# Altium PCB LimeSDR_1v2.PcbDoc (part 1 of 9) (continued)
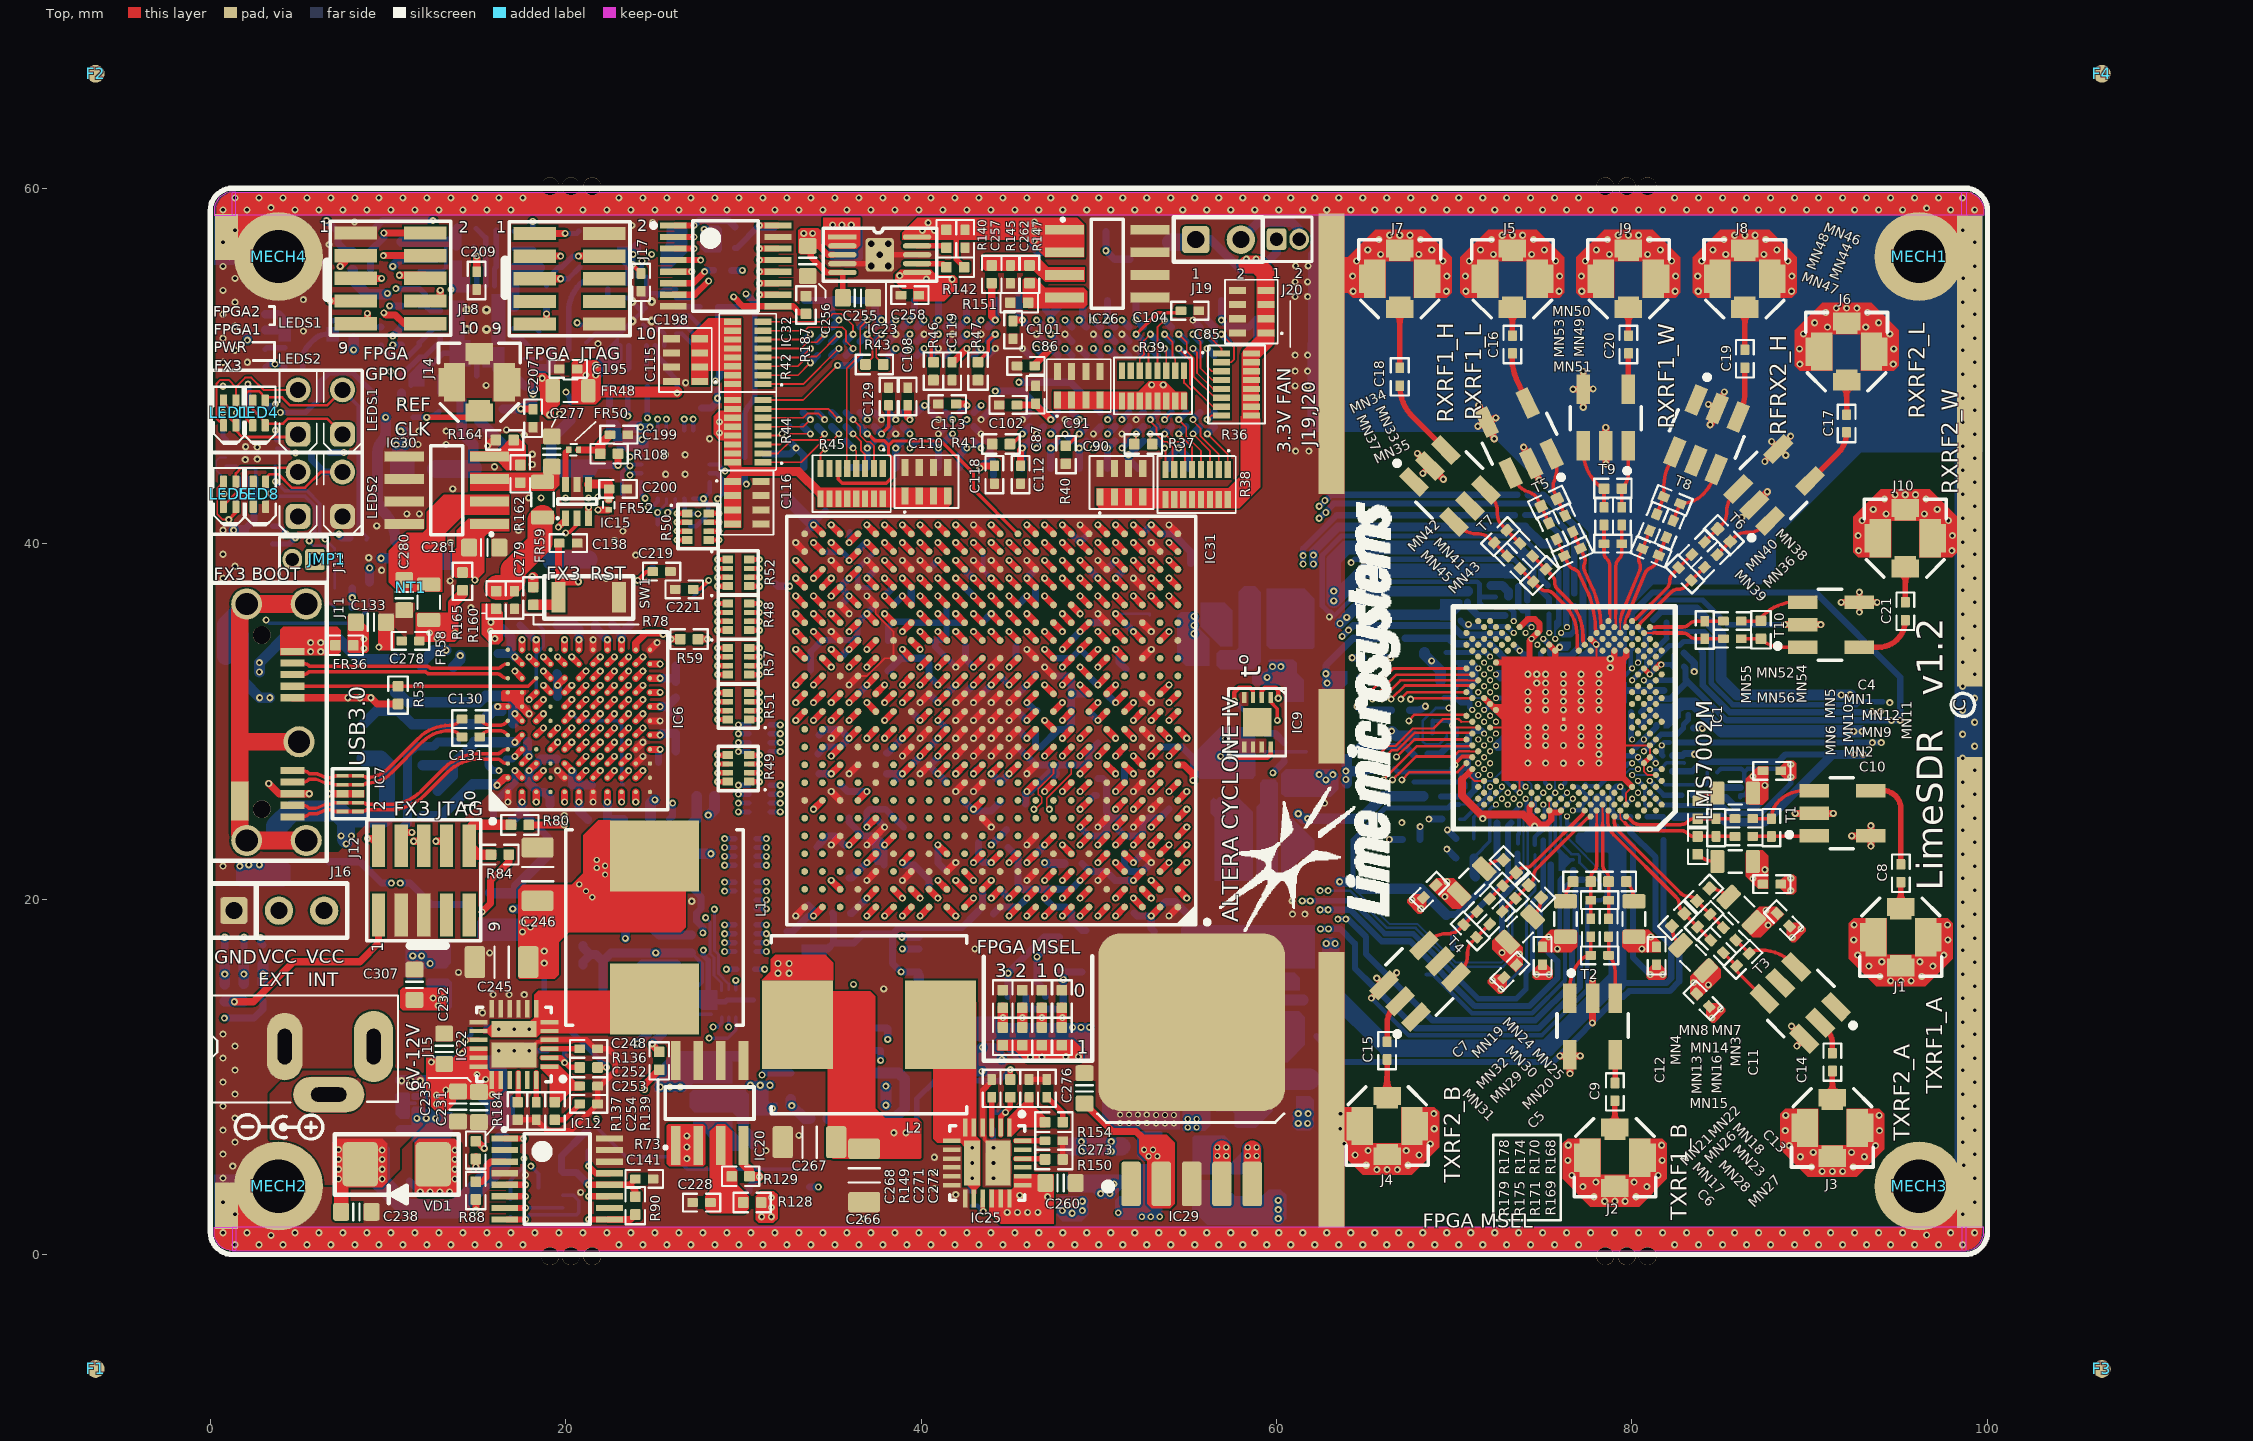
[diagram p0: Top view]
## Classes and differential pairs
net class VTT_DDR2: VTT_DDR2
net class VDD_FX3: VDD_FX3
net class VCC3P3_FX3: VCC3P3_FX3
net class VCC1P8_FX3: VCC1P8_FX3
net class +1.8V_DIG_LMK: +1.8V_DIG_LMK
net class VCC_EXT: VCC_EXT
net class SI_CLK: SI_CLK0 SI_CLK1 SI_CLK2 SI_CLK3 SI_CLK4 SI_CLK5 SI_CLK6 SI_CLK7
net class FPGA_CONFIG: EXP_CONF_DONE EXP_NCONFIG EXP_NSTATUS FPGA_CONF_DONE FPGA_NCONFIG FPGA_NSTATUS
net class DDR2_2_DQS[0..1]: DDR2_2_DQS0 DDR2_2_DQS1
net class DDR2_2_DQ[0..15]: DDR2_2_DQ0 DDR2_2_DQ1 DDR2_2_DQ2 DDR2_2_DQ3 DDR2_2_DQ4 DDR2_2_DQ5 DDR2_2_DQ6 DDR2_2_DQ7 DDR2_2_DQ8 DDR2_2_DQ9 DDR2_2_DQ10 DDR2_2_DQ11 DDR2_2_DQ12 DDR2_2_DQ13 DDR2_2_DQ14 DDR2_2_DQ15
net class DDR2_2_DM[0..1]: DDR2_2_DM0 DDR2_2_DM1
net class DDR2_2_BA[0..2]: DDR2_2_BA0 DDR2_2_BA1 DDR2_2_BA2
net class DDR2_2_A[0..12]: DDR2_2_A0 DDR2_2_A1 DDR2_2_A2 DDR2_2_A3 DDR2_2_A4 DDR2_2_A5 DDR2_2_A6 DDR2_2_A7 DDR2_2_A8 DDR2_2_A9 DDR2_2_A10 DDR2_2_A11 DDR2_2_A12
net class DDR2_1_DQS[0..1]: DDR2_1_DQS0 DDR2_1_DQS1
net class DDR2_1_DQ[0..15]: DDR2_1_DQ0 DDR2_1_DQ1 DDR2_1_DQ2 DDR2_1_DQ3 DDR2_1_DQ4 DDR2_1_DQ5 DDR2_1_DQ6 DDR2_1_DQ7 DDR2_1_DQ8 DDR2_1_DQ9 DDR2_1_DQ10 DDR2_1_DQ11 DDR2_1_DQ12 DDR2_1_DQ13 DDR2_1_DQ14 DDR2_1_DQ15
net class DDR2_1_DM[0..1]: DDR2_1_DM0 DDR2_1_DM1
net class DDR2_1_CK: DDR2_1_CLK_N DDR2_1_CLK_P DDR2_2_CLK_N DDR2_2_CLK_P
net class DDR2_1_BA[0..2]: DDR2_1_BA0 DDR2_1_BA1 DDR2_1_BA2
net class DDR2_1_A[0..12]: DDR2_1_A0 DDR2_1_A1 DDR2_1_A2 DDR2_1_A3 DDR2_1_A4 DDR2_1_A5 DDR2_1_A6 DDR2_1_A7 DDR2_1_A8 DDR2_1_A9 DDR2_1_A10 DDR2_1_A11 DDR2_1_A12
component class 12_USB3_0_power: C143 C144 C145 C146 C147 C148 C149 C150 C151 C152 C153 C154 C155 C156 C157 C158 C159 C160 C161 C162 C163 C164 C165 C166 C167 C168 C169 C170 C171 C172 C173 C174 C175 C176 C177 C178 C179 C180 FR38 FR39 FR40 FR41 FR42 FR43 FR44 FR45 FR46
net class FX3_DQ: FX3_DQ0 FX3_DQ1 FX3_DQ2 FX3_DQ3 FX3_DQ4 FX3_DQ5 FX3_DQ6 FX3_DQ7 FX3_DQ8 FX3_DQ9 FX3_DQ10 FX3_DQ11 FX3_DQ12 FX3_DQ13 FX3_DQ14 FX3_DQ15 FX3_DQ16 FX3_DQ17 FX3_DQ18 FX3_DQ19 FX3_DQ20 FX3_DQ21 FX3_DQ22 FX3_DQ23 FX3_DQ24 FX3_DQ25 FX3_DQ26 FX3_DQ27 FX3_DQ28 FX3_DQ29 FX3_DQ30 FX3_DQ31 FX3_PCLK
net class FX3_CTL: FX3_CTL0 FX3_CTL1 FX3_CTL2 FX3_CTL3 FX3_CTL4 FX3_CTL5 FX3_CTL6 FX3_CTL7 FX3_CTL8 FX3_CTL9 FX3_CTL10 FX3_CTL11 FX3_CTL12
component class 09_FPGA_misc: C294 C295 C296 C297 C298 C299 C300 C301 C302 C303 C304 C305 C306 C307 C308 C309 C310 C311 C312 C313 C314 C315 C316 C317 C318 C319 C320 C321 C322 C323 C324 C325 C326 C327 C328 C329 C330 C331 C332 C333 C334 C335 C336 C337 C338 C339 C340 C341 C342 C343 C344 C345 C346 C347 C348 C349 C350 C351 C352 C353 C354 C355 C356 C357 C358 C359 C360 C361 C362 C363 C364 C365 C366 C367 C368 C369 C370 C371 C372 C373 C374 C375 C376 C377 C378 C379 C380 C381 C382 C383 C384 C385 C386 C387 C388 C389 C390 C391 C392 C393 C394 C395 C396 C397 C398 C399 FR60 FR61 IC32 IC33 J17 J18 J19 J20 R168 R169 R170 R171 R172 R173 R174 R175 R176 R177 R178 R179 R180 R181 R182 R183 R184 R185 R186 R187 R188 R189 R190 VT1
net class FPGA_DDR1_DQ: DDR2_2_DQ0 DDR2_2_DQ1 DDR2_2_DQ2 DDR2_2_DQ3 DDR2_2_DQ4 DDR2_2_DQ5 DDR2_2_DQ6 DDR2_2_DQ7 DDR2_2_DQ8 DDR2_2_DQ9 DDR2_2_DQ10 DDR2_2_DQ11 DDR2_2_DQ12 DDR2_2_DQ13 DDR2_2_DQ14 DDR2_2_DQ15
net class FPGA_DDR1_CTRL: DDR2_2_CASN DDR2_2_CKE DDR2_2_CSN DDR2_2_DM0 DDR2_2_DM1 DDR2_2_DQS0 DDR2_2_DQS0N DDR2_2_DQS1 DDR2_2_DQS1N DDR2_2_ODT DDR2_2_RASN DDR2_2_WEN VREF_DDR2
net class FPGA_DDR1_BA: DDR2_2_BA0 DDR2_2_BA1 DDR2_2_BA2
net class FPGA_DDR1_A: DDR2_2_A0 DDR2_2_A1 DDR2_2_A2 DDR2_2_A3 DDR2_2_A4 DDR2_2_A5 DDR2_2_A6 DDR2_2_A7 DDR2_2_A8 DDR2_2_A9 DDR2_2_A10 DDR2_2_A11 DDR2_2_A12
net class FPGA_DDR0_DQ: DDR2_1_DQ0 DDR2_1_DQ1 DDR2_1_DQ2 DDR2_1_DQ3 DDR2_1_DQ4 DDR2_1_DQ5 DDR2_1_DQ6 DDR2_1_DQ7 DDR2_1_DQ8 DDR2_1_DQ9 DDR2_1_DQ10 DDR2_1_DQ11 DDR2_1_DQ12 DDR2_1_DQ13 DDR2_1_DQ14 DDR2_1_DQ15
net class FPGA_DDR0_CTRL: DDR2_1_CASN DDR2_1_CKE DDR2_1_CSN DDR2_1_DM0 DDR2_1_DM1 DDR2_1_DQS0 DDR2_1_DQS0N DDR2_1_DQS1 DDR2_1_DQS1N DDR2_1_ODT DDR2_1_RASN DDR2_1_WEN VREF_DDR2
net class FPGA_DDR0_BA: DDR2_1_BA0 DDR2_1_BA1 DDR2_1_BA2
net class FPGA_DDR0_A: DDR2_1_A0 DDR2_1_A1 DDR2_1_A2 DDR2_1_A3 DDR2_1_A4 DDR2_1_A5 DDR2_1_A6 DDR2_1_A7 DDR2_1_A8 DDR2_1_A9 DDR2_1_A10 DDR2_1_A11 DDR2_1_A12
component class 07_FPGA_banks_1_2_3_4: C282 C283 C284 C285 C286 C287 C288 C289 C290 C291 C292 C293 IC31 R166 R167
net class RX_RF: RXRF1_HAB_N RXRF1_HAB_P RXRF1_HBB_N RXRF1_HBB_P RXRF1_LAB_N RXRF1_LAB_P RXRF1_LBB_N RXRF1_LBB_P RXRF1_WAB_N RXRF1_WAB_P RXRF1_WBB_N RXRF1_WBB_P RXRF2_HAB_N RXRF2_HAB_P RXRF2_HBB_N RXRF2_HBB_P RXRF2_LAB_N RXRF2_LAB_P RXRF2_LBB_N RXRF2_LBB_P RXRF2_WAB_N RXRF2_WAB_P RXRF2_WBB_N RXRF2_WBB_P
net class TX_RF: TXRF1_1AB_N TXRF1_1AB_P TXRF1_1BB_N TXRF1_1BB_P TXRF1_2AB_N TXRF1_2AB_P TXRF1_2BB_N TXRF1_2BB_P TXRF2_1AB_N TXRF2_1AB_P TXRF2_1BB_N TXRF2_1BB_P TXRF2_2AB_N TXRF2_2AB_P TXRF2_2BB_N TXRF2_2BB_P
component class 06_LMS7002M_Power: C22 C23 C24 C25 C26 C27 C28 C29 C30 C31 C32 C33 C34 C35 C36 C37 C38 C39 C40 C41 C42 C43 C44 C45 C46 C47 C48 C49 C50 C51 C52 C53 C54 C55 C56 C57 C58 C59 C60 C61 C62 C63 C64 C65 C66 C67 C68 C69 C70 C71 C72 C73 C74 C75 C76 C77 C78 C79 C80 FR1 FR2 FR3 FR4 FR5 FR6 FR7 FR8 FR9 FR10 FR11 FR12 FR13 FR14 FR15 FR16 FR17 FR18 FR19 FR20 FR21 FR22 FR23 FR24 FR25 FR26 FR27 FR28 FR29 FR30 FR31 FR32 FR33 FR34 FR35 R16 R17 R18 R19 R20 R21 R22 R23 R24 R25 R26 R27 R28 R29 R30 R31 R32 R33 R34 R35
component class 05_LMS7002M_RF: C4 C5 C6 C7 C8 C9 C10 C11 C12 C13 C14 C15 C16 C17 C18 C19 C20 C21 J1 J2 J3 J4 J5 J6 J7 J8 J9 J10 MN1 MN2 MN3 MN4 MN5 MN6 MN7 MN8 MN9 MN10 MN11 MN12 MN13 MN14 MN15 MN16 MN17 MN18 MN19 MN20 MN21 MN22 MN23 MN24 MN25 MN26 MN27 MN28 MN29 MN30 MN31 MN32 MN33 MN34 MN35 MN36 MN37 MN38 MN39 MN40 MN41 MN42 MN43 MN44 MN45 MN46 MN47 MN48 MN49 MN50 MN51 MN52 MN53 MN54 MN55 MN56 T1 T2 T3 T4 T5 T6 T7 T8 T9 T10
component class 10_DDR2: C81 C82 C83 C84 C85 C86 C87 C88 C89 C90 C91 C92 C93 C94 C95 C96 C97 C98 C99 C100 C101 C102 C103 C104 C105 C106 C107 C108 C109 C110 C111 C112 C113 C114 C115 C116 C117 C118 C119 C120 C121 C122 C123 C124 C125 C126 C127 C128 C129 FR76 IC4 IC5 R36 R37 R38 R39 R40 R41 R42 R43 R44 R45 R46 R47 XT6
component class 11_USB3_0_device: C130 C131 C132 C133 C134 C135 C136 C137 C138 C139 C140 C141 C142 FR36 FR37 IC6 IC7 IC8 IC9 IC10 IC11 IC12 J11 J12 J13 JMP1 NT1 R48 R49 R50 R51 R52 R53 R54 R55 R56 R57 R58 R59 R60 R61 R62 R63 R64 R65 R66 R67 R68 R69 R70 R71 R72 R73 R74 R75 R76 R77 R78 R79 R80 R81 R82 R83 R84 R85 R86 R87 R88 R89 R90 R91 R92 R93 R94 SW1 XT1
net class CLK_PATH: NetC181_1 NetC181_2 NetC182_1 NetC281_1 NetIC1_AM24 NetIC1_E5 NetIC13_3 NetIC13_5 NetR96_2 REF_CLK RXPLL_CLK TXPLL_CLK
net class FX3_DATA: FX3_OTG_ID FX3_USB_D_N FX3_USB_D_P FX3_USB_SSRX_N FX3_USB_SSRX_P FX3_USB_SSTX_IC_N FX3_USB_SSTX_IC_P FX3_USB_SSTX_N FX3_USB_SSTX_P
component class 04_LMS7002M_Digital: C1 C2 C3 IC1 IC2 IC3 R1 R2 R3 R4 R5 R6 R7 R8 R9 R10 R11 R12 R13 R14 R15
net class LMS_PORT1: LMS_DIQ1_D0 LMS_DIQ1_D1 LMS_DIQ1_D2 LMS_DIQ1_D3 LMS_DIQ1_D4 LMS_DIQ1_D5 LMS_DIQ1_D6 LMS_DIQ1_D7 LMS_DIQ1_D8 LMS_DIQ1_D9 LMS_DIQ1_D10 LMS_DIQ1_D11 LMS_ENABLE_IQSEL1 LMS_MCLK1
net class LMS_PORT2: LMS_DIQ2_D0 LMS_DIQ2_D1 LMS_DIQ2_D2 LMS_DIQ2_D3 LMS_DIQ2_D4 LMS_DIQ2_D5 LMS_DIQ2_D6 LMS_DIQ2_D7 LMS_DIQ2_D8 LMS_DIQ2_D9 LMS_DIQ2_D10 LMS_DIQ2_D11 LMS_ENABLE_IQSEL2 LMS_FCLK2 LMS_MCLK2
component class 14_BoardPowerSupply: C225 C226 C227 C228 C229 C230 C231 C232 C233 C234 C235 C236 C237 C238 C239 C240 C241 C242 C243 C244 C245 C246 C247 C248 C249 C250 C251 C252 C253 C254 C255 C256 C257 C258 C259 C260 C261 C262 C263 C264 C265 C266 C267 C268 C269 C270 C271 C272 C273 C274 C275 C276 C277 C278 C279 C280 C281 C416 C417 C418 C419 C420 C421 C422 C423 C424 F1 F2 F3 F4 FR53 FR54 FR55 FR56 FR57 FR58 FR59 IC18 IC19 IC20 IC21 IC22 IC23 IC24 IC25 IC26 IC27 IC28 IC29 IC30 IC37 IC39 J15 J16 L1 L2 LED1 LED4 LED5 LED8 LEDS1 LEDS2 MECH1 MECH2 MECH3 MECH4 R122 R123 R124 R125 R126 R127 R128 R129 R130 R131 R132 R133 R134 R135 R136 R137 R138 R139 R140 R141 R142 R143 R144 R145 R146 R147 R148 R149 R150 R151 R152 R153 R154 R155 R156 R157 R158 R159 R160 R161 R162 R163 R164 R165 R203 R204 R205 R206 R207 R208 R209 R210 R211 R212 R213 R214 R215 R216 R217 R218 R219 VD1
component class 13_Clocks: C181 C182 C183 C184 C185 C186 C187 C188 C189 C190 C191 C192 C193 C194 C195 C196 C197 C198 C199 C200 C201 C202 C203 C204 C205 C206 C207 C208 C209 C210 C211 C212 C213 C214 C215 C216 C217 C218 C219 C220 C221 C222 C223 C224 FR47 FR48 FR49 FR50 FR51 FR52 IC13 IC14 IC15 IC16 IC17 J14 R95 R96 R97 R98 R99 R100 R101 R102 R103 R104 R105 R106 R107 R108 R109 R110 R111 R112 R113 R114 R115 R116 R117 R118 R119 R120 R121 XT2 XT3 XT4 XT5
net class FPGA_MSEL: MSEL0 MSEL1 MSEL2 MSEL3
net class FPGA_CONF: FPGA_AS_DCLK FPGA_CONF_DONE FPGA_NCONFIG FPGA_NSTATUS
net class FPGA_GPIO: FPGA_GPIO0 FPGA_GPIO1 FPGA_GPIO2 FPGA_GPIO3 FPGA_GPIO4 FPGA_GPIO5 FPGA_GPIO6 FPGA_GPIO7
net class FPGA_JTAG: FPGA_JTAG_TCK FPGA_JTAG_TDI FPGA_JTAG_TDO FPGA_JTAG_TMS NetJ11_7
net class FPGA_SPI_LMS: FPGA_SPI0_LMS_SS FPGA_SPI0_MISO FPGA_SPI0_MOSI FPGA_SPI0_SCLK NetC1_1 NetIC1_D28 NetIC1_F28 NetIC1_F30
net class LMS_I2C: LMS_I2C_SCL LMS_I2C_SDA
net class I2C_BRDG: BRDG_INT BRDG_SPI_DUMMY_SS BRDG_SPI_FPGA_SS BRDG_SPI_MISO BRDG_SPI_MOSI BRDG_SPI_SCLK
net class FX3_JTAG: FX3_JTAG_TCK FX3_JTAG_TDI FX3_JTAG_TDO FX3_JTAG_TMS FX3_JTAG_TRST FX3_RST NetJ12_10
net class VCC1P2: VCC1P2
net class VCC1P4_LMS: VCC1P4_LMS
net class VCC1P8_DDR2: VCC1P8_DDR2
net class VCC1P8_LMS: VCC1P8_LMS
net class VCC1P8: VCC1P8
net class VCC1P25_LMS_DIG: VCC1P25_LMS_DIG
net class VCC1P25_LMS: VCC1P25_LMS
net class VCC2P5: VCC2P5
net class VCC3P3_CLK: VCC3P3_CLK
net class VCC3P3: VCC3P3
net class VCC5P0_USB: VCC5P0_USB
net class VDIO_LMS_FPGA: VDIO_LMS_FPGA
net class VDIO_LMS: VDIO_LMS
net class VCC_INT: VCC_INT
net class LMS_MISC: LMS_RXEN LMS_TXNRX1 LMS_TXNRX2
net class VCC3P3_CFX3: VCC3P3_CFX3
net class VDIO_LMS_LMK: VDIO_LMS_LMK
differential pair SI5351_XTAL: +SI5351_XTAL_P -SI5351_XTAL_N
differential pair FX3_XTAL: +FX3_XTAL_P -FX3_XTAL_N
differential pair DDR2_2_CLK: +DDR2_2_CLK_P -DDR2_2_CLK_N
differential pair DDR2_1_CLK: +DDR2_1_CLK_P -DDR2_1_CLK_N
differential pair RXRF1_HAB: +RXRF1_HAB_P -RXRF1_HAB_N
differential pair RXRF1_HBB: +RXRF1_HBB_P -RXRF1_HBB_N
differential pair RXRF1_LAB: +RXRF1_LAB_P -RXRF1_LAB_N
differential pair RXRF1_LBB: +RXRF1_LBB_P -RXRF1_LBB_N
differential pair RXRF1_WAB: +RXRF1_WAB_P -RXRF1_WAB_N
differential pair RXRF1_WBB: +RXRF1_WBB_P -RXRF1_WBB_N
differential pair TXRF1_1AB: +TXRF1_1AB_P -TXRF1_1AB_N
differential pair TXRF1_1BB: +TXRF1_1BB_P -TXRF1_1BB_N
differential pair TXRF1_2AB: +TXRF1_2AB_P -TXRF1_2AB_N
differential pair TXRF1_2BB: +TXRF1_2BB_P -TXRF1_2BB_N
differential pair RXRF2_HAB: +RXRF2_HAB_P -RXRF2_HAB_N
differential pair RXRF2_HBB: +RXRF2_HBB_P -RXRF2_HBB_N
differential pair RXRF2_LAB: +RXRF2_LAB_P -RXRF2_LAB_N
differential pair RXRF2_LBB: +RXRF2_LBB_P -RXRF2_LBB_N
differential pair RXRF2_WAB: +RXRF2_WAB_P -RXRF2_WAB_N
differential pair RXRF2_WBB: +RXRF2_WBB_P -RXRF2_WBB_N
differential pair TXRF2_1AB: +TXRF2_1AB_P -TXRF2_1AB_N
differential pair TXRF2_1BB: +TXRF2_2BB_P -TXRF2_2BB_N
differential pair TXRF2_2AB: +TXRF2_2AB_P -TXRF2_2AB_N
differential pair TXRF2_2BB: +TXRF2_1BB_P -TXRF2_1BB_N
differential pair FX3_USB_D: +FX3_USB_D_P -FX3_USB_D_N
differential pair FX3_USB_SSRX: +FX3_USB_SSRX_P -FX3_USB_SSRX_N
differential pair FX3_USB_SSTX_IC: +FX3_USB_SSTX_IC_P -FX3_USB_SSTX_IC_N
differential pair FX3_USB_SSTX: +FX3_USB_SSTX_P -FX3_USB_SSTX_N

## Components (designator, comment, footprint, x,y, rotation, side; value= is the part's Value field where it differs from the comment)
C1 "10pF, 5%" CAP0402#1 70.7,21.251 r180 bottom
C2 "1uF, 10%" CAP0402#1 49.125,15.325 r90 bottom
C3 "1uF, 10%" CAP0402#1 40.375,14.975 r180 bottom
C4 "100nF, 10%" CAP0402#2 87.867,27.216 r180 top
C5 "100nF, 10%" CAP0402#2 73.141,15.937 r45 top
C6 "100nF, 10%" CAP0402#2 83.994,14.308 r135 top
C7 "100nF, 10%" CAP0402#2 68.612,20.433 r45 top
C8 "100nF, 10%" CAP0402#2 95.125,21.45 r90 top
C9 "100nF, 10%" CAP0402#2 79.04,9.15 r90 top
C10 "100nF, 10%" CAP0402#2 87.866,20.837 r180 top
C11 "100nF, 10%" CAP0402#2 81.38,16.81 r90 top
C12 "100nF, 10%" CAP0402#2 74.966,16.812 r90 top
C13 "100nF, 10%" CAP0402#2 88.519,18.833 r135 top
C14 "100pF, 5%" CAP0402#2 91.275,10.825 r90 top
C15 "100pF, 5%" CAP0402#2 66.225,11.475 r90 top
C16 "470pF, 5%" CAP0402#2 73.275,51.2 r270 top
C17 "470pF, 5%" CAP0402#2 92.076,46.755 r270 top
C18 "100pF, 5%" CAP0402#2 66.934,49.384 r270 top
C19 "100pF, 5%" CAP0402#2 86.35,50.4 r270 top
C20 "470pF, 5%" CAP0402#2 79.8,51.2 r270 top
C21 "470pF, 5%" CAP0402#2 95.38,36.193 r270 top
C22 "1uF, 20%" CAP0201 71,33.589 r270 bottom
C23 "1nF, 10%" CAP0201 70.15,33.589 r270 bottom
C24 "1uF, 20%" CAP0201 68.491,29.974 r180 bottom
C25 "1nF, 10%" CAP0201 69.851,29.219 r180 bottom
C26 "1uF, 20%" CAP0201 72.875,32.119 r270 bottom
C27 "1nF, 10%" CAP0201 73.626,32.119 r270 bottom
C28 "1uF, 20%" CAP0201 70.075,28.32 r270 bottom
C29 "1nF, 10%" CAP0201 70.801,28.311 r270 bottom
C30 "1uF, 20%" CAP0201 73.926,30.094 r0 bottom
C31 "1nF, 10%" CAP0201 71.851,31.144 r135 bottom
C32 "1uF, 20%" CAP0201 70.62,26.939 r180 bottom
C33 "1nF, 10%" CAP0201 70.575,26.005 r90 bottom
C34 "1uF, 20%" CAP0201 70.096,31.599 r90 bottom
C35 "1nF, 10%" CAP0201 70.876,31.319 r90 bottom
C36 "1uF, 20%" CAP0201 72.875,31.028 r270 bottom
C37 "1nF, 10%" CAP0201 73.626,31.019 r270 bottom
C38 "1uF, 20%" CAP0201 68.825,26.87 r270 bottom
C39 "1nF, 10%" CAP0201 69.876,26.869 r270 bottom
C40 "1uF, 20%" CAP0201 73.201,24.569 r270 bottom
C41 "1uF, 20%" CAP0201 73.301,23.644 r180 bottom
C42 "1uF, 20%" CAP0201 79.125,24.344 r270 bottom
C43 "1uF, 20%" CAP0201 73.126,26.769 r180 bottom
C44 "1uF, 20%" CAP0201 77.544,20.224 r270 bottom
C45 "1uF, 20%" CAP0201 78.162,20.245 r270 bottom
C46 "1uF, 20%" CAP0201 76.05,21.475 r270 bottom
C47 "1uF, 20%" CAP0201 76.075,33.395 r270 bottom
C48 "1uF, 20%" CAP0201 82.196,25.569 r270 bottom
C49 "1uF, 20%" CAP0201 83.176,29.619 r0 bottom
C50 "1uF, 20%" CAP0201 84.526,27.144 r0 bottom
C51 "1uF, 20%" CAP0201 76.794,26.599 r90 bottom
C52 "1uF, 20%" CAP0201 86.094,25.999 r270 bottom
C53 "1uF, 20%" CAP0201 76.351,23.894 r270 bottom
C54 "1uF, 20%" CAP0201 75.677,27.074 r90 bottom
C55 "1uF, 20%" CAP0201 83,27.905 r90 bottom
C56 "1uF, 20%" CAP0201 74.531,22.776 r270 bottom
C57 "1uF, 20%" CAP0201 74.833,26.891 r225 bottom
C58 "1uF, 20%" CAP0201 77.444,26.776 r270 bottom
C59 "1uF, 20%" CAP0201 79.101,27.894 r180 bottom
C60 "1uF, 20%" CAP0201 74.126,36.519 r90 bottom
C61 "1uF, 20%" CAP0201 80.951,26.034 r315 bottom
C62 "1uF, 20%" CAP0201 82.001,28.069 r0 bottom
C63 "1uF, 20%" CAP0201 76.426,34.589 r270 bottom
C64 "1uF, 20%" CAP0201 75.601,38.419 r180 bottom
C65 "1uF, 20%" CAP0201 81.771,23.589 r270 bottom
C66 "1uF, 20%" CAP0201 75.07,35.4 r180 bottom
C67 "1uF, 20%" CAP0201 82.226,34.869 r0 bottom
C68 "1uF, 20%" CAP0201 83.175,34.775 r90 bottom
C69 "1uF, 20%" CAP0201 76.021,39.2 r180 bottom
C70 "1uF, 20%" CAP0201 74.463,33.744 r0 bottom
C71 "1uF, 20%" CAP0201 80.486,35.434 r90 bottom
C72 "1uF, 20%" CAP0201 79.926,28.526 r180 bottom
C73 "1uF, 20%" CAP0201 72.276,36.719 r90 bottom
C74 "1uF, 20%" CAP0201 71.796,37.644 r180 bottom
C75 "1uF, 20%" CAP0201 71.771,35.339 r180 bottom
C76 "1uF, 20%" CAP0201 71.525,36.255 r90 bottom
C77 "1uF, 20%" CAP0201 70.123,35.902 r315 bottom
C78 "1uF, 20%" CAP0201 79.251,32.544 r180 bottom
C79 "1uF, 20%" CAP0201 81.75,32.027 r270 bottom
C80 "1uF, 20%" CAP0201 82.651,33.719 r0 bottom
C81 "100nF, 10%" CAP0402#1 47.3,43.725 r270 bottom
C82 "100nF, 10%" CAP0402#1 48.9,43.725 r270 bottom
C83 "100nF, 10%" CAP0402#1 50.5,43.725 r270 bottom
C84 "100nF, 10%" CAP0402#1 53.95,43.725 r270 bottom
C85 "0.1uF" CKCA43X7R1C104M100AA 58.6,53.05 r180 top
C86 "100nF, 10%" CAP0402#2 45.9,50 r180 top
C87 "100nF, 10%" CAP0402#2 46.45,48.375 r90 top
C88 "100nF, 10%" CAP0402#1 55.05,43.725 r270 bottom
C89 "100nF, 10%" CAP0402#1 47,54.15 r90 bottom
C90 "0.1uF" CKCA43X7R1C104M100AA 51.275,43.425 r90 top
C91 "0.1uF" CKCA43X7R1C104M100AA 48.875,48.875 r90 top
C92 "100nF, 10%" CAP0402#1 45.5,54.55 r90 bottom
C93 "100nF, 10%" CAP0402#1 48.075,54.15 r90 bottom
C94 "100nF, 10%" CAP0402#1 52.2,43.725 r270 bottom
C95 "100nF, 10%" CAP0402#1 49.1,54.15 r90 bottom
C96 "100nF, 10%" CAP0402#1 45.675,43.725 r270 bottom
C97 "100nF, 10%" CAP0402#1 56.9,54.175 r90 bottom
C98 "100nF, 10%" CAP0402#1 59.375,51.15 r0 bottom
C99 "100nF, 10%" CAP0402#1 50.5,54.175 r90 bottom
C100 "10uF, 6.3V" CAP0603#1 59.7,52.65 r180 bottom
C101 "2.2uF, 20%" CAP0402#2 45.175,52.025 r90 top
C102 "1uF, 10%" CAP0402#2 44.9,47.8 r0 top
C103 "100nF, 10%" CAP0402#1 52.1,54.175 r90 bottom
C104 "100nF, 10%" CAP0402#2 55.125,53.1 r0 top
C105 "220uF, 4V" CAP1206#1 37.65,56.825 r180 bottom
C106 "100nF, 10%" CAP0402#1 38.575,43.75 r270 bottom
C107 "100nF, 10%" CAP0402#1 35.825,43.775 r270 bottom
C108 "100nF, 10%" CAP0402#2 39.25,48.275 r90 top
C109 "100nF, 10%" CAP0402#1 40.975,54.175 r90 bottom
C110 "0.1uF" CKCA43X7R1C104M100AA 40.3,43.475 r90 top
C111 "100nF, 10%" CAP0402#1 42.175,43.775 r270 bottom
C112 "100nF, 10%" CAP0402#2 45.6,43.875 r270 top
C113 "100nF, 10%" CAP0402#2 41.475,47.85 r180 top
C114 "100nF, 10%" CAP0402#1 42.55,54.175 r90 bottom
C115 "0.1uF" CKCA43X7R1C104M100AA 26.75,50.325 r180 top
C116 "0.1uF" CKCA43X7R1C104M100AA 30.2,42.3 r0 top
C117 "100nF, 10%" CAP0402#1 34.95,54.15 r90 bottom
C118 "100nF, 10%" CAP0402#2 44.125,43.875 r270 top
C119 "100nF, 10%" CAP0402#2 41.75,49.7 r270 top
C120 "100nF, 10%" CAP0402#1 44.3,54.2 r90 bottom
C121 "100nF, 10%" CAP0402#1 37.425,54.175 r90 bottom
C122 "100nF, 10%" CAP0402#1 33.35,43.775 r270 bottom
C123 "100nF, 10%" CAP0402#1 31.15,44.55 r270 bottom
C124 "100nF, 10%" CAP0402#1 39.625,54.175 r90 bottom
C125 "10uF, 6.3V" CAP0603#1 36.275,54.525 r270 bottom
C126 "2.2uF, 20%" CAP0402#1 40.975,43.775 r90 bottom
C127 "1uF, 10%" CAP0402#1 36.95,43.775 r90 bottom
C128 "100nF, 10%" CAP0402#1 44.075,43.325 r270 bottom
C129 "100nF, 10%" CAP0402#2 38.175,48.275 r90 top
C130 "100nF, 10%" CAP0402#2 14.675,30.125 r0 top
C131 "100nF, 10%" CAP0402#2 14.675,29.125 r180 top
C132 "100nF, 10%" CAP0402#1 10.175,7.05 r180 bottom
C133 "1uF" CAP0603#2 9.05,35.575 r180 top
C134 "100nF, 10%" CAP0402#1 1.375,34.85 r0 bottom
C135 "13pF, 5%" CAP0402#1 14.2,20.2 r270 bottom
C136 "100nF, 10%" CAP0402#1 20.975,15.8 r270 bottom
C137 "13pF, 5%" CAP0402#1 6.7,21.6 r90 bottom
C138 "100nF, 10%" CAP0402#2 20.15,40.025 r0 top
C139 "100nF, 10%" CAP0402#1 19.275,5.55 r180 bottom
C140 "100nF, 10%" CAP0402#1 58.825,28.275 r0 bottom
C141 "100nF, 10%" CAP0402#2 24.425,4.25 r0 top
C142 "100nF, 10%" CAP0402#1 1.8,39.95 r270 bottom
C143 "22uF, 10%" CAP0603#1 10.6,16.075 r0 bottom
C144 "100nF, 10%" CAP0402#1 21.825,26.425 r0 bottom
C145 "100nF, 10%" CAP0402#1 26.7,33.125 r0 bottom
C146 "10nF, 10%" CAP0402#1 19.9,26.425 r0 bottom
C147 "10nF, 10%" CAP0402#1 26.7,32.25 r180 bottom
C148 "100nF, 10%" CAP0402#1 21.675,35.925 r90 bottom
C149 "10nF, 10%" CAP0402#1 21.25,23.975 r90 bottom
C150 "22uF, 10%" CAP0603#1 18.075,20.325 r180 bottom
C151 "100nF, 10%" CAP0402#1 19.5,23.275 r0 bottom
C152 "10nF, 10%" CAP0402#1 18,24 r90 bottom
C153 "100nF, 10%" CAP0402#1 17,24 r270 bottom
C154 "10nF, 10%" CAP0402#1 17.425,35.925 r270 bottom
C155 "10uF, 6.3V" CAP0603#1 15.225,32.075 r270 bottom
C156 "10nF, 10%" CAP0402#1 17.55,29.9 r180 bottom
C157 "100nF, 10%" CAP0402#1 17.05,31.65 r90 bottom
C158 "22uF, 10%" CAP0603#1 14.2,25.025 r90 bottom
C159 "100nF, 10%" CAP0402#1 15.325,25.95 r270 bottom
C160 "100nF, 10%" CAP0402#1 14.375,28.85 r180 bottom
C161 "22uF, 10%" CAP0603#1 11.95,26.1 r0 bottom
C162 "100nF, 10%" CAP0402#1 12.81,29.335 r270 bottom
C163 "22uF, 10%" CAP0603#1 10.1,29.75 r90 bottom
C164 "22uF, 10%" CAP0603#1 1.575,21.212 r0 bottom
C165 "100nF, 10%" CAP0402#1 19.525,35.925 r90 bottom
C166 "100nF, 10%" CAP0402#1 22.625,35.925 r90 bottom
C167 "100nF, 10%" CAP0402#1 26.7,31.325 r0 bottom
C168 "100nF, 10%" CAP0402#1 26.7,28.325 r0 bottom
C169 "100nF, 10%" CAP0402#1 22.275,23.975 r270 bottom
C170 "100nF, 10%" CAP0402#1 19.55,30.9 r270 bottom
C171 "100nF, 10%" CAP0402#1 15.35,33.95 r180 bottom
C172 "100nF, 10%" CAP0402#1 19.125,24.825 r270 bottom
C173 "10nF, 10%" CAP0402#1 20.525,35.925 r270 bottom
C174 "10nF, 10%" CAP0402#1 23.625,35.925 r270 bottom
C175 "10nF, 10%" CAP0402#1 26.7,30.325 r180 bottom
C176 "10nF, 10%" CAP0402#1 26.7,29.325 r180 bottom
C177 "10nF, 10%" CAP0402#1 23.275,23.975 r90 bottom
C178 "10nF, 10%" CAP0402#1 20,32.7 r180 bottom
C179 "10nF, 10%" CAP0402#1 16.45,35.725 r270 bottom
C180 "10nF, 10%" CAP0402#1 20,27.875 r180 bottom
C181 "100nF, 10%" CAP0402#1 30.15,53.313 r0 bottom
C182 "100nF, 10%" CAP0402#1 28.05,53.313 r0 bottom
C183 "100nF, 10%" CAP0402#1 28.05,54.313 r180 bottom
C184 "47pF" CAP0402#1 25.1,47.775 r180 bottom
C185 "47pF" CAP0402#1 23,47.775 r0 bottom
C186 "100nF, 10%" CAP0402#1 14.65,47.95 r180 bottom
C187 "1uF, 10%" CAP0402#1 10.475,43.15 r90 bottom
C188 "100nF, 10%" CAP0402#1 2.6,52.9 r0 bottom
C189 "1uF, 10%" CAP0402#1 21.35,48.125 r90 bottom
C190 "1uF, 10%" CAP0402#1 24.25,57.2 r270 bottom
C191 "100nF, 10%" CAP0402#1 27.15,47.625 r0 bottom
C192 "100pF, 5%" CAP0402#1 25.25,56.7 r270 bottom
C193 "100pF, 5%" CAP0402#1 23.25,56.7 r270 bottom
C194 "100pF, 5%" CAP0402#1 28.05,48.6 r0 bottom
C195 "100nF, 10%" CAP0402#2 20.15,49.825 r0 top
C196 "100pF, 5%" CAP0402#1 25.55,49.325 r90 bottom
C197 "100pF, 5%" CAP0402#1 22.475,49.313 r90 bottom
C198 "100pF, 5%" CAP0402#2 24.25,54.7 r90 top
C199 "1uF, 10%" CAP0402#2 23,46.125 r180 top
C200 "100nF, 10%" CAP0402#2 22.95,43.075 r0 top
C201 "100pF, 5%" CAP0402#1 18.125,50.4 r270 bottom
C202 "100pF, 5%" CAP0402#1 19.675,50.9 r0 bottom
C203 "100nF, 10%" CAP0402#1 18.675,47.85 r180 bottom
C204 "100nF, 10%" CAP0402#1 18.675,48.85 r180 bottom
C205 "100pF, 5%" CAP0402#1 12.8,56.475 r90 bottom
C206 "100pF, 5%" CAP0402#1 10.675,56.475 r90 bottom
C207 "100pF, 5%" CAP0402#2 18.175,47.05 r270 top
C208 "100pF, 5%" CAP0402#1 8.525,57.5 r180 bottom
C209 "100pF, 5%" CAP0402#2 15,54.8 r90 top
C210 "100nF, 10%" CAP0402#1 14.325,56.675 r180 bottom
C211 "1nF, 10%" CAP0402#1 14.475,49.425 r0 bottom
C212 "1nF, 10%" CAP0402#1 12.925,47.95 r90 bottom
C213 "22pF, 5%" CAP0402#1 18.675,57.575 r180 bottom
C214 "22pF, 5%" CAP0402#1 16.6,56.575 r180 bottom
C215 "22pF, 5%" CAP0402#1 16.6,55.575 r180 bottom
C216 "220pF, 10%" CAP0402#1 19,51.95 r0 bottom
C217 "100nF, 10%" CAP0402#1 23.5,42.2 r270 bottom
C218 "100nF, 10%" CAP0402#1 22.675,45.575 r180 bottom
C219 "10pF, 5%" CAP0402#2 25.4,38.425 r180 top
C220 "10pF, 5%" CAP0402#1 9.625,51.675 r270 bottom
C221 "10pF, 5%" CAP0402#2 26.675,37.425 r0 top
C222 "100nF, 10%" CAP0402#1 28.025,41.15 r270 bottom
C223 "100nF, 10%" CAP0402#1 27.025,40.475 r270 bottom
C224 "100nF, 10%" CAP0402#1 25.175,40.6 r270 bottom
C225 "1uF, 10%" CAP0402#1 51.275,5.6 r90 bottom
C226 "100nF, 10%" CAP0402#1 48.525,5.6 r270 bottom
C227 "2.2uF, 20%" CAP0402#1 47.75,57.525 r180 bottom
C228 "2.2uF, 20%" CAP0402#2 27.65,2.925 r0 top
C229 "100nF, 10%" CAP0402#1 27.125,15.075 r270 bottom
C230 "100nF, 10%" CAP0402#1 27.125,12.95 r90 bottom
C231 "10uF, 25V" CAP0603#2 13.95,8.325 r90 top
C232 "10uF, 25V" CAP0603#2 13.175,11.575 r270 top
C233 "10uF, 25V" CAP0603#1 14.625,8.4 r90 bottom
C234 "10uF, 25V" CAP0603#1 17.1,9.85 r180 bottom
C235 "10uF, 25V" CAP0603#2 15.125,8.3 r90 top
C236 "100nF, 10%" CAP0402#1 15.225,11.125 r90 bottom
C237 "100nF, 10%" CAP0402#1 11.225,4.625 r90 bottom
C238 "10uF, 25V" CAP0603#2 8.225,2.4 r180 top
C239 "10uF, 20%" CAP0603#1 12.375,5.625 r90 bottom
C240 "100nF, 10%" CAP0402#1 15.2,12.675 r0 bottom
C241 "10uF, 25V" CAP0603#1 13.175,11.575 r270 bottom
C242 "2.2uF, 20%" CAP0402#1 57.85,14.725 r90 bottom
C243 "1uF, 10%" CAP0402#1 61.75,12.275 r180 bottom
C244 "2.2uF, 20%" CAP0402#1 60.5,9.1 r90 bottom
C245 "100uF, 20%" CAP1206#2 16.4,16.45 r0 top
C246 "100uF, 20%" CAP1206#2 18.425,21.4 r270 top
C247 "10uF, 6.3V" CAP0603#1 32.6,53.675 r0 bottom
C248 "1uF, 10%" CAP0402#2 21.3,11.575 r0 top
C249 "1uF, 10%" CAP0402#1 58.45,26.725 r90 bottom
C250 "1uF, 10%" CAP0402#1 56.425,23.925 r0 bottom
C251 "2.2uF, 20%" CAP0402#1 60.075,25.225 r180 bottom
C252 "4.7pF" CAP0402#2 21.3,9.475 r0 top
C253 "1200pF" CAP0402#2 21.3,8.475 r0 top
C254 "22nF" CAP0402#2 18.35,8.075 r270 top
C255 "10uF, 6.3V" CAP0603#2 36.45,53.825 r180 top
C256 "10uF, 6.3V" CAP0603#2 33.625,55.9 r90 top
C257 "1uF, 10%" CAP0402#2 42.475,57.15 r90 top
C258 "100nF, 10%" CAP0402#2 39.375,53.975 r180 top
C259 "100nF, 10%" CAP0402#1 42.875,3.25 r90 bottom
C260 "10uF, 25V" CAP0603#2 47.85,4.025 r180 top
C261 "2.2uF, 20%" CAP0402#1 47.75,56.55 r180 bottom
C262 "2.2uF, 20%" CAP0402#2 45.025,55.15 r90 top
C263 "2.2uF, 20%" CAP0402#1 58.975,31.875 r90 bottom
C264 "1uF, 10%" CAP0402#1 61.775,33.975 r90 bottom
C265 "2.2uF, 20%" CAP0402#1 57.975,32.975 r90 bottom
C266 "220uF, 20%" CAP1206#2 36.8,4.45 r90 top
C267 "220uF, 20%" CAP1206#2 33.725,6.325 r0 top
C268 "1uF, 10%" CAP0402#2 43.975,9.35 r90 top
C269 "2.2uF, 20%" CAP0402#1 30,11.65 r270 bottom
C270 "2.2uF, 20%" CAP0402#1 30.5,7.275 r180 bottom
C271 "68pF" CAP0402#2 46.075,9.35 r90 top
C272 "1500pF" CAP0402#2 47.075,9.35 r90 top
C273 "22nF" CAP0402#2 47.475,6.4 r0 top
C274 "2.2uF, 20%" CAP0402#1 53.675,2.85 r180 bottom
C275 "10uF, 20%" CAP0603#1 54.975,6.075 r0 bottom
C276 "10uF, 20%" CAP0603#2 49.2,9.35 r270 top
C277 "10uF, 20%" CAP0603#2 19.225,45.175 r270 top
C278 "2.2uF, 20%" CAP0402#2 11.275,34.525 r0 top
C279 "2.2uF, 20%" CAP0402#2 17.125,36.825 r90 top
C280 "10uF, 25V" CAP0603#2 10.925,37.1 r90 top
C281 "10uF, 25V" CAP0603#2 15.425,39.775 r180 top
C282 "100nF, 10%" CAP0402#1 36.425,39.075 r270 bottom
C283 "100nF, 10%" CAP0402#1 38.45,36.1 r270 bottom
C284 "100nF, 10%" CAP0402#1 41.45,37.05 r270 bottom
C285 "100nF, 10%" CAP0402#1 42.925,37.525 r0 bottom
C286 "100nF, 10%" CAP0402#1 42.925,35.525 r180 bottom
C287 "100nF, 10%" CAP0402#1 45.475,36.075 r270 bottom
C288 "100nF, 10%" CAP0402#1 51.45,41.075 r90 bottom
C289 "100nF, 10%" CAP0402#1 50.45,39.025 r90 bottom
C290 "100nF, 10%" CAP0402#1 51.425,36.075 r90 bottom
C291 "100nF, 10%" CAP0402#1 49.925,32.55 r0 bottom
C292 "100nF, 10%" CAP0402#1 50.925,30.525 r0 bottom
C293 "100nF, 10%" CAP0402#1 48.95,30.525 r180 bottom
C294 "220uF, 4V" CAP1206#1 47.375,25.675 r90 bottom
C295 "10uF, 20%" CAP0603#1 38.15,33.675 r270 bottom
C296 "4.7uF, 10%" CAP0603#1 41.65,34.225 r0 bottom
C297 "1uF, 10%" CAP0402#1 43.925,32.55 r180 bottom
C298 "100nF, 10%" CAP0402#1 39.975,28.55 r180 bottom
C299 "220uF, 4V" CAP1206#1 34.5,24.55 r0 bottom
C300 "10uF, 6.3V" CAP0603#1 37.925,21.075 r90 bottom
C301 "4.7uF, 10%" CAP0603#1 31.825,38.575 r270 bottom
C302 "1uF, 10%" CAP0402#1 50.45,36.025 r90 bottom
C303 "100nF, 10%" CAP0402#1 48.45,35.075 r90 bottom
C304 "100nF, 10%" CAP0402#1 56.95,30.125 r90 bottom
C305 "220uF, 4V" CAP1206#1 31.025,41.525 r45 bottom
C306 "100uF, 6.3V" CAP1206#1 55.175,40.375 r270 bottom
C307 "10uF, 6.3V" CAP0603#2 11.5,15.175 r270 top
C308 "4.7uF, 10%" CAP0603#1 34.625,42.675 r270 bottom
C309 "1uF, 10%" CAP0402#1 48.45,40.075 r90 bottom
C310 "100nF, 10%" CAP0402#1 35.45,33.075 r270 bottom
C311 "100uF, 6.3V" CAP1206#1 40.4,24 r180 bottom
C312 "10uF, 6.3V" CAP0603#1 32.95,32.85 r0 bottom
C313 "4.7uF, 10%" CAP0603#1 32.925,34.225 r0 bottom
C314 "1uF, 10%" CAP0402#1 35.925,35.525 r0 bottom
C315 "100nF, 10%" CAP0402#1 49.925,33.525 r0 bottom
C316 "100uF, 6.3V" CAP1206#1 34.45,21.175 r0 bottom
C317 "10uF, 6.3V" CAP0603#1 33.3,22.925 r0 bottom
C318 "4.7uF, 10%" CAP0603#1 54.95,20.05 r270 bottom
C319 "1uF, 10%" CAP0402#1 40.45,20.075 r90 bottom
C320 "100nF, 10%" CAP0402#1 41.675,22.55 r0 bottom
C321 "100uF, 6.3V" CAP1206#1 55.35,29.375 r270 bottom
C322 "10uF, 6.3V" CAP0603#1 53.95,25.95 r270 bottom
C323 "4.7uF, 10%" CAP0603#1 60.925,30.7 r90 bottom
C324 "1uF, 10%" CAP0402#1 53.475,29.025 r270 bottom
C325 "100nF, 10%" CAP0402#1 51.95,27.525 r0 bottom
C326 "100nF, 10%" CAP0402#1 36.35,6.6 r0 bottom
C327 "100nF, 10%" CAP0402#1 32.25,57.75 r0 bottom
C328 "100nF, 10%" CAP0402#1 49.875,25.225 r270 bottom
C329 "100nF, 10%" CAP0402#1 47.425,34.05 r90 bottom
C330 "100nF, 10%" CAP0402#1 37.425,37.025 r90 bottom
C331 "100nF, 10%" CAP0402#1 48.425,33.025 r270 bottom
C332 "100nF, 10%" CAP0402#1 33.775,29.225 r180 bottom
C333 "100nF, 10%" CAP0402#1 46.45,22.025 r270 bottom
C334 "100nF, 10%" CAP0402#1 53.75,20.35 r90 bottom
C335 "100nF, 10%" CAP0402#1 33.175,19.65 r180 bottom
C336 "100nF, 10%" CAP0402#1 50.95,22.575 r0 bottom
C337 "100nF, 10%" CAP0402#1 39.525,21.4 r270 bottom
C338 "100nF, 10%" CAP0402#1 43.225,23.825 r90 bottom
C339 "100nF, 10%" CAP0402#1 32.45,17.675 r270 bottom
C340 "100nF, 10%" CAP0402#1 33.7,28.175 r180 bottom
C341 "100nF, 10%" CAP0402#1 33.75,27.05 r180 bottom
C342 "100nF, 10%" CAP0402#1 35.475,26.95 r90 bottom
C343 "100nF, 10%" CAP0402#1 41.925,21.55 r0 bottom
C344 "100nF, 10%" CAP0402#1 51.975,18.725 r270 bottom
C345 "100nF, 10%" CAP0402#1 53.625,18.175 r0 bottom
C346 "100nF, 10%" CAP0402#1 51.95,28.525 r0 bottom
C347 "100nF, 10%" CAP0402#1 51.95,26.525 r0 bottom
C348 "100nF, 10%" CAP0402#1 52.925,23.575 r0 bottom
C349 "100nF, 10%" CAP0402#1 52.925,22.575 r0 bottom
C350 "100nF, 10%" CAP0402#1 36,31.55 r180 bottom
C351 "100nF, 10%" CAP0402#1 46.45,39.05 r90 bottom
C352 "100nF, 10%" CAP0402#1 43.5,40.05 r90 bottom
C353 "100nF, 10%" CAP0402#1 46.45,36.025 r270 bottom
C354 "100nF, 10%" CAP0402#1 52.45,41.075 r90 bottom
C355 "100nF, 10%" CAP0402#1 39.425,36.05 r270 bottom
C356 "100nF, 10%" CAP0402#1 42.45,39.025 r90 bottom
C357 "100nF, 10%" CAP0402#1 32.95,40.55 r180 bottom
C358 "100nF, 10%" CAP0402#1 52.025,32.875 r0 bottom
C359 "100nF, 10%" CAP0402#1 53.375,35.975 r0 bottom
C360 "100nF, 10%" CAP0402#1 49.95,31.525 r180 bottom
C361 "100nF, 10%" CAP0402#1 34.975,37.525 r180 bottom
C362 "100nF, 10%" CAP0402#1 49.45,41.075 r90 bottom
C363 "100nF, 10%" CAP0402#1 51.425,39.025 r90 bottom
C364 "100nF, 10%" CAP0402#1 37.45,39.05 r90 bottom
C365 "100nF, 10%" CAP0402#1 34.975,36.525 r180 bottom
C366 "100nF, 10%" CAP0402#1 40.45,38.05 r270 bottom
C367 "100nF, 10%" CAP0402#1 49.475,39.075 r90 bottom
C368 "100nF, 10%" CAP0402#1 42.45,31.075 r270 bottom
C369 "100nF, 10%" CAP0402#1 46.4,33.175 r90 bottom
C370 "100nF, 10%" CAP0402#1 45.8,24.85 r270 bottom
C371 "100nF, 10%" CAP0402#1 43.45,34.05 r90 bottom
C372 "100nF, 10%" CAP0402#1 44.85,34.2 r180 bottom
C373 "100nF, 10%" CAP0402#1 41.475,31.05 r270 bottom
C374 "100nF, 10%" CAP0402#1 43.45,31.05 r270 bottom
C375 "100nF, 10%" CAP0402#1 45,31.55 r180 bottom
C376 "100nF, 10%" CAP0402#1 39.925,32.55 r180 bottom
C377 "100nF, 10%" CAP0402#1 39.925,31.55 r180 bottom
C378 "100nF, 10%" CAP0402#1 44.975,29.55 r180 bottom
C379 "100nF, 10%" CAP0402#1 41.95,29.575 r0 bottom
C380 "100nF, 10%" CAP0402#1 46.5,30.05 r270 bottom
C381 "100nF, 10%" CAP0402#1 44.975,30.5 r180 bottom
C382 "100nF, 10%" CAP0402#1 51.45,25.05 r90 bottom
C383 "100nF, 10%" CAP0402#1 49.45,36.025 r90 bottom
C384 "100nF, 10%" CAP0402#1 37.475,23.975 r90 bottom
C385 "100nF, 10%" CAP0402#1 38.425,38.075 r90 bottom
C386 "100nF, 10%" CAP0402#1 44.45,28.075 r90 bottom
C387 "100nF, 10%" CAP0402#1 45.95,28.55 r0 bottom
C388 "100nF, 10%" CAP0402#1 37.55,27.05 r180 bottom
C389 "100nF, 10%" CAP0402#1 37.55,28.225 r180 bottom
C390 "100nF, 10%" CAP0402#1 39.425,27 r270 bottom
C391 "100nF, 10%" CAP0402#1 45.45,27.05 r270 bottom
C392 "100nF, 10%" CAP0402#1 43.45,28.075 r90 bottom
C393 "100nF, 10%" CAP0402#1 42.45,28.075 r90 bottom
C394 "100nF, 10%" CAP0402#1 41.375,26.025 r270 bottom
C395 "100nF, 10%" CAP0402#1 40.475,27 r270 bottom
C396 "100nF, 10%" CAP0402#1 38.975,30.525 r180 bottom
C397 "100nF, 10%" CAP0402#1 44,25.5 r180 bottom
C398 "100nF, 10%" CAP0402#1 44,26.525 r180 bottom
C399 "100nF, 10%" CAP0402#1 42.4,26.025 r90 bottom
F1 "Fiducial" Fiducial -6.437,-6.437 r0 top
F2 "Fiducial" Fiducial -6.437,66.437 r0 top
F3 "Fiducial" Fiducial 106.437,-6.437 r0 top
F4 "Fiducial" Fiducial 106.437,66.437 r0 top
FR1 "Ferrite" RES0201 79.901,24.344 r270 bottom
FR2 "Ferrite" RES0201 72.401,24.544 r90 bottom
FR3 "Ferrite" RES0201 76.7,21.92 r270 bottom
FR4 "Ferrite" RES0201 73.126,27.544 r0 bottom
FR5 "Ferrite" RES0201 73.87,42.725 r0 bottom
FR6 "Ferrite" RES0201 77.72,21.089 r180 bottom
FR7 "Ferrite" RES0201 76.839,20.805 r90 bottom
FR8 "Ferrite" RES0201 77.476,24.994 r0 bottom
FR9 "Ferrite" RES0201 83.156,30.649 r270 bottom
FR10 "Ferrite" RES0201 84.53,26.425 r180 bottom
FR11 "Ferrite" RES0201 77.126,23.894 r270 bottom
FR12 "Ferrite" RES0201 83.081,25.849 r0 bottom
FR13 "Ferrite" RES0201 75.443,22.252 r270 bottom
FR14 "Ferrite" RES0201 78.126,26.062 r90 bottom
FR15 "Ferrite" RES0201 73.601,37.899 r90 bottom
FR16 "Ferrite" RES0201 80.23,30.525 r180 bottom
FR17 "Ferrite" RES0201 75.001,23.594 r270 bottom
FR18 "Ferrite" RES0201 80.225,29.775 r180 bottom
FR19 "Ferrite" RES0201 76.776,36.794 r90 bottom
FR20 "Ferrite" RES0201 80.849,24.906 r90 bottom
FR21 "Ferrite" RES0201 82.374,28.806 r180 bottom
FR22 "Ferrite" RES0201 75.331,36.299 r90 bottom
FR23 "Ferrite" RES0201 83.926,34.194 r90 bottom
FR24 "Ferrite" RES0201 76.013,39.982 r180 bottom
FR25 "Ferrite" RES0201 73.7,41.6 r180 bottom
FR26 "Ferrite" RES0201 73.201,34.444 r135 bottom
FR27 "Ferrite" RES0201 81.946,35.83 r270 bottom
FR28 "Ferrite" RES0201 81.191,35.434 r270 bottom
FR29 "Ferrite" RES0201 73.051,36.719 r90 bottom
FR30 "Ferrite" RES0201 81.649,29.781 r180 bottom
FR31 "Ferrite" RES0201 72.826,35.619 r90 bottom
FR32 "Ferrite" RES0201 69.75,36.98 r90 bottom
FR33 "Ferrite" RES0201 80.051,34.374 r90 bottom
FR34 "Ferrite" RES0201 82.697,32.307 r0 bottom
FR35 "Ferrite" RES0201 82.626,33.069 r0 bottom
FR36 "220 Ohm @ 100MHz" RES0402#1 7.55,34.275 r0 top
FR37 "220 Ohm @ 100MHz" RES0402#2 1.375,33.675 r180 bottom
FR38 "600R, 2A" RES0805#1 12.85,16.1 r90 bottom
FR39 "600R, 2A" RES0805#1 15.775,19.35 r90 bottom
FR40 "600R, 2A" RES0805#1 13.675,32.075 r90 bottom
FR41 "600R, 2A" RES0805#1 11.95,32.075 r90 bottom
FR42 "600R, 2A" RES0805#1 10.95,24.65 r180 bottom
FR43 "600R, 2A" RES0805#1 10.975,27.525 r180 bottom
FR44 "600R, 2A" RES0805#1 8.675,28.9 r270 bottom
FR45 "600R, 2A" RES0805#1 10.425,32.6 r90 bottom
FR46 "600R, 2A" RES0805#1 3.75,22.35 r270 bottom
FR47 "Ferrite" RES0201 10.475,44.8 r90 bottom
FR48 "600R@100MHz" RES0805#2 20.275,48.6 r0 top
FR49 "600R@100MHz" RES0805#1 27.375,57.062 r180 bottom
FR50 "Ferrite" RES0201 20.45,45.275 r0 top
FR51 "600R@100MHz" RES0805#1 16.475,48.575 r90 bottom
FR52 "Ferrite" RES0201 22.425,42.175 r90 top